# Altium PCB PCB1.PcbDoc (part 2 of 3)
Units mil, origin at the board's own origin, x right, y up, seen from the top; angles counter-clockwise.
Board outline 9239.32 x 6085 mil, 4 copper layers (Top Layer, GND, Power, Bottom Layer), stack 57.48 mil thick; 233 components, 161 nets, 767 pads, 460 vias.
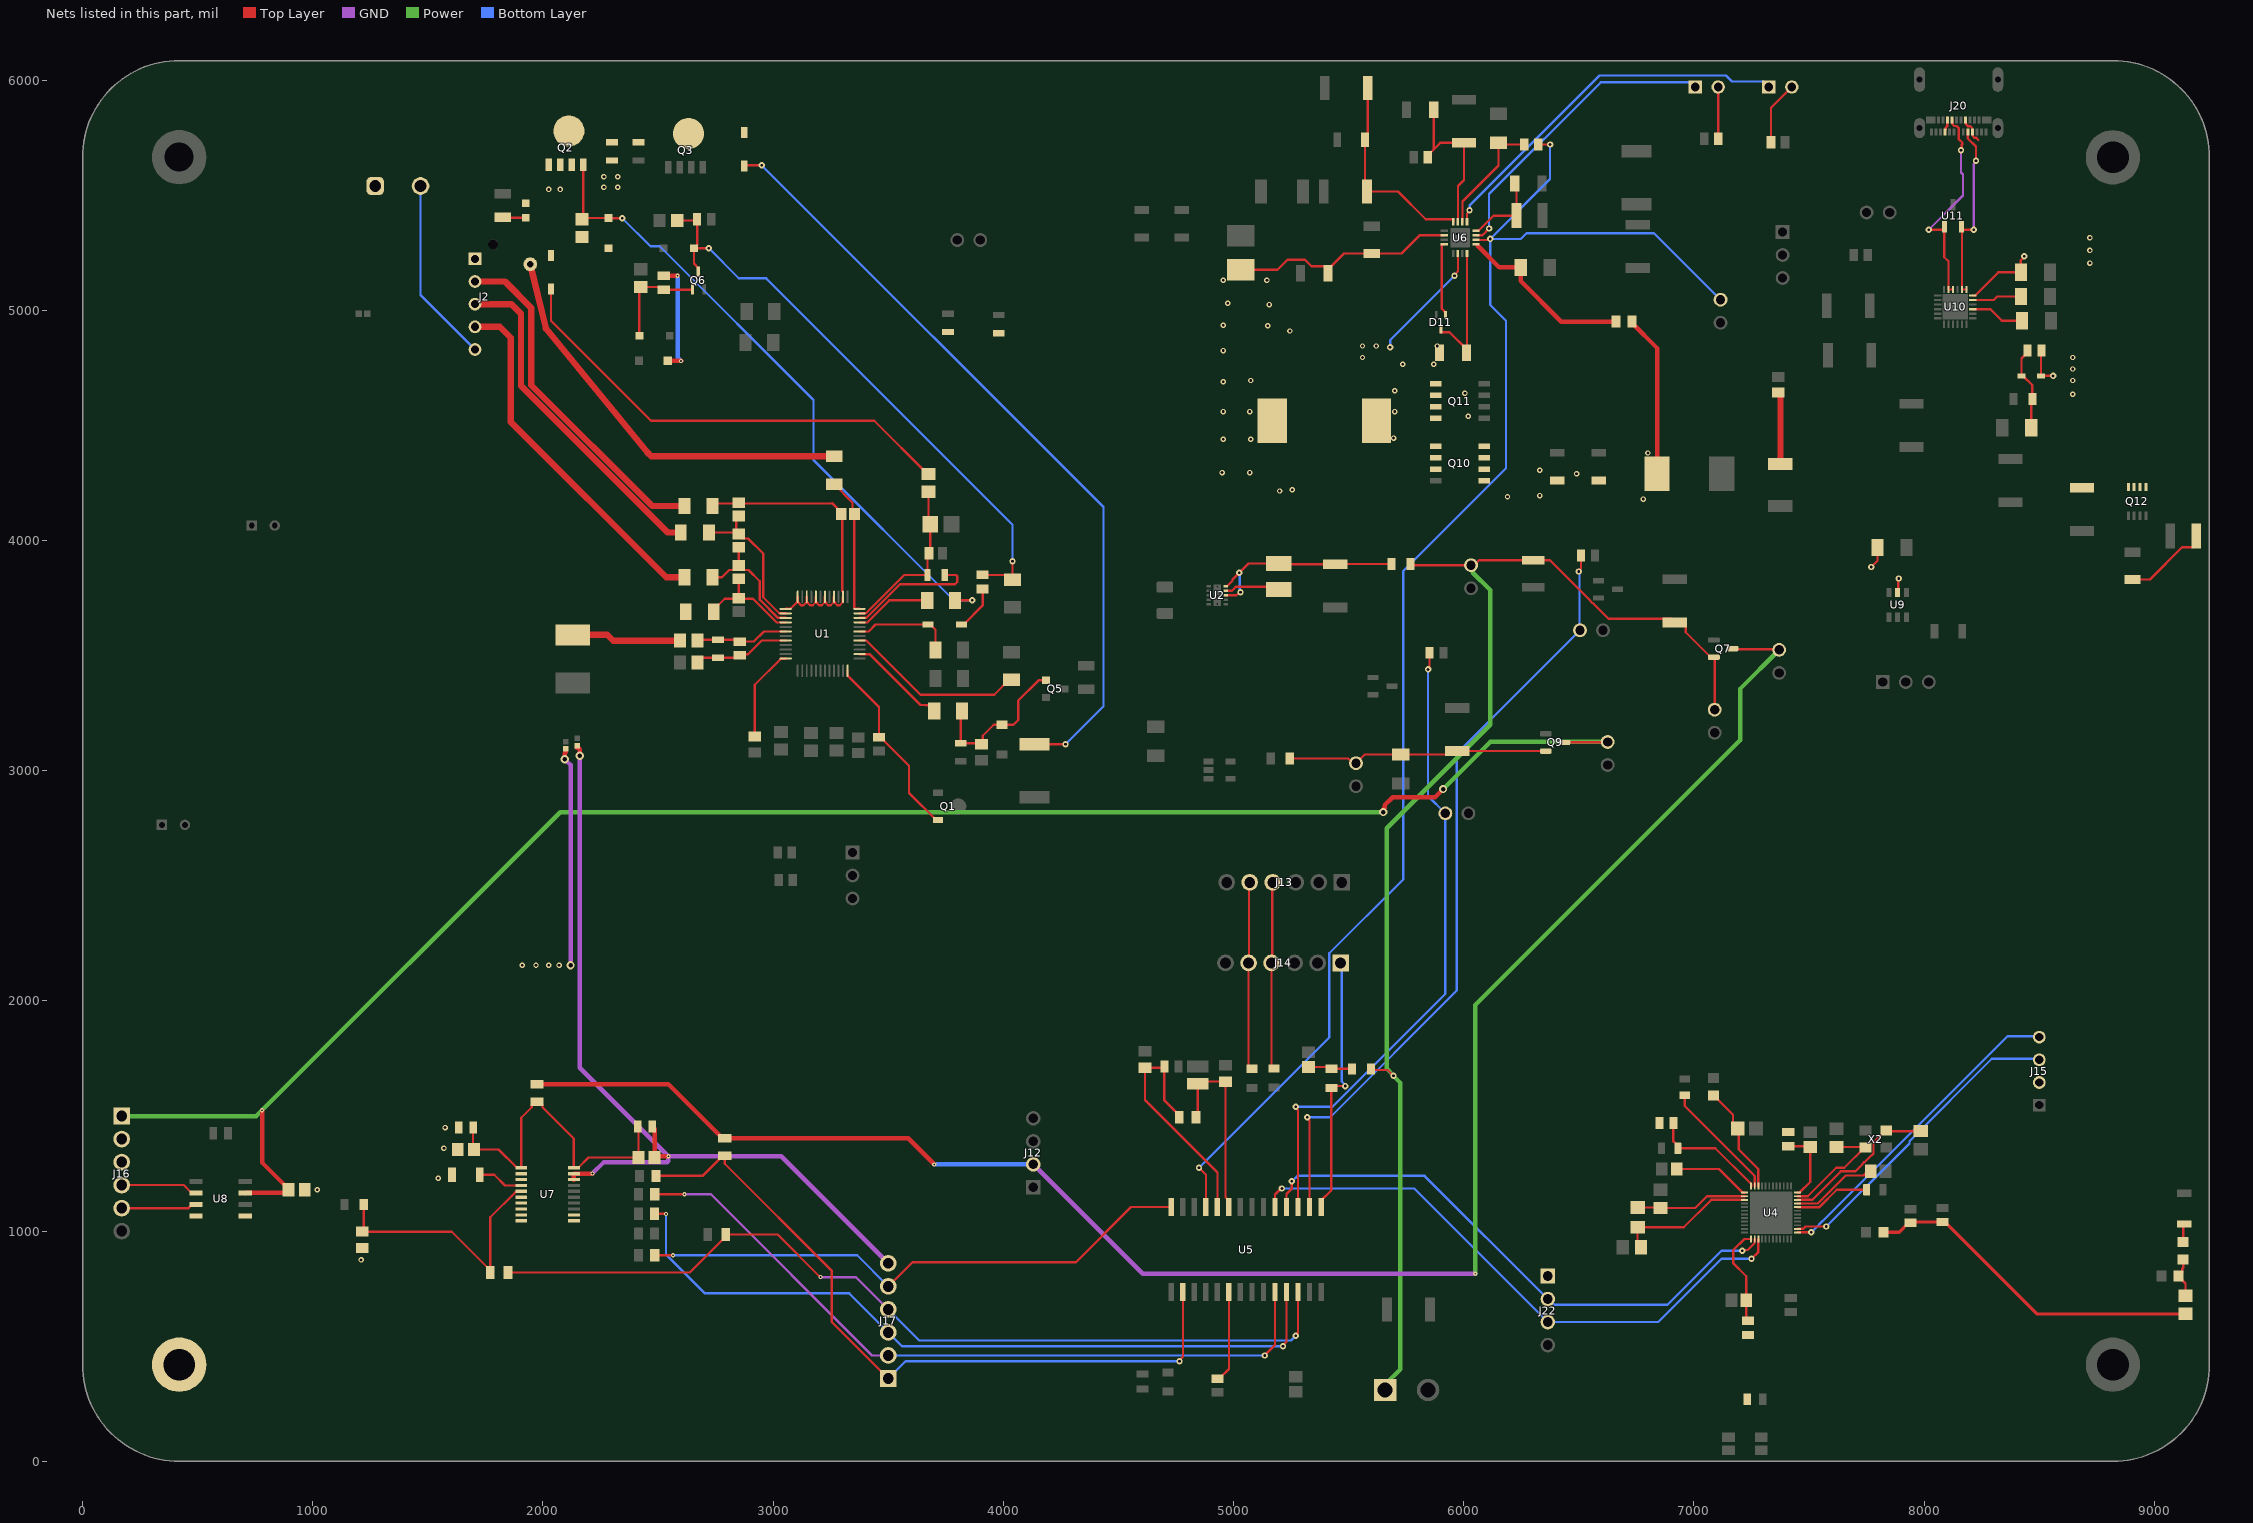
[diagram p4: the nets of this part, all layers, seen from the top]

## Part data (continued)
D8: library part CMP-2000-04932-2, "Fast Switching Diode, 100 V, 0.15 A, -65 to 150 degC, 2-Pin?SOD123, RoHS, Tape and Reel", If - Forward Current=0.15A, Ir - Reverse Current=1uA, Manufacturer=DiodesIncorporated, Max Surge Current=2A, Maximum Operating Temperature=+150C, Minimum Operating Temperature=-65C, Operating Temperature Range=-65Cto+150C, Package / Case=SOD-123, Package Reference=SOD123-2, Peak Reverse Voltage=100V, Vf - Forward Voltage=1.25V, Brand=DiodesIncorporated, Configuration=Single, Datasheet URL=http://www.farnell.com/datasheets/1915529.pdf, Datasheet Version="Rev. 24-2, 10/2013", Factory Pack Quantity=3000, Height=1.25mm, Length=2.85mm, Manufacturer URL=http://www.diodes.com/, Mounting Style=SMD/SMT, Package URL=http://www.diodes.com/datasheets/ds18004.pdf, Packaging=Reel, Product=SwitchingDiodes, Product Category=Diodes-GeneralPurpose,Power,Switching, Recovery Time=4ns, RoHS=True, Series=1N4148, Type=SwitchingDiode, Unit Weight=0.000353oz, Width=1.7mm
D10: library part CMP-1055-00390-1, "Schottky Power Rectifier, 2-Pin SMC, Pb-Free, Tape and Reel", Manufacturer="On Semiconductor", ComponentLink1Description="Manufacturer URL", ComponentLink1URL=http://www.onsemi.com/, ComponentLink2Description=Datasheet, ComponentLink2URL=http://www.onsemi.cn/pub_link/Collateral/MBRS540T3-D.PDF, ComponentLink3Description="Package Specification", ComponentLink3URL=http://www.onsemi.com/pub_link/Collateral/403-03.PDF, Configuration=Single, DatasheetVersion="Rev. 8", IFSM Max (A)=190, Mounting Technology="Surface Mount", PackageDescription="2-Pin Small Molded Package, J-Bend Lead, Body 5.845 x 6.855 mm", PackageReference=SMC-2-403-03, PackageVersion="Rev. E, 08/2005", Packing="Tape and Reel", PartNumber=MBRS540T3G, RoHS=TRUE
D11: library part BAT54, "Schottky, SOT-23, 30V, 0.2A, 150C", Manufacturer Name=Diotec, Package="SOT-23 Diotec", Supplier Part Number 1=BAT54ST-7-F, Check_prices=https://www.snapeda.com/parts/BAT54/Diotec/view-part/?ref=eda, Manufacturer Part Number=BAT54, MF=Diotec, MP=BAT54, OriginalSymbolOrigin=(-10000,20000), Part Number=BAT54, Part Reference=D1, PCB Footprint=SOT95P240X120-3N, SnapEDA_Link=https://www.snapeda.com/parts/BAT54/Diotec/view-part/?ref=snap, Supplier 1=Avnet
D12 D13: "3MM LED RED LC TINT. DIFF-e3", Manufacturer_Name=Vishay, Supplier Part Number 1=33C1369, Copyright="Copyright (C) 2025 Ultra Librarian. All rights reserved.", Manufacturer_Part_Number=TLLR4400, Supplier 1=Avnet
D14: library part CMP-2000-05927-2, "DIODE SCHOTTKY 40V 300MA SOD323", Capacitance=7pF, Forward Current=300mA, Manufacturer=STMicroelectronics, Max Junction Temp=+150°C, Max Repetitive Reverse Voltage=40V, Max Surge Forward Current=1.25A, Package=SOD323, Peak Reverse Current=1uA, Temperature="-40°C to +150°C", Temperature Range Low=-40°C, Automotive=No, Category=IC, ComponentLink2Description=Datasheet, ComponentLink2URL=https://www.st.com/resource/en/datasheet/bat54.pdf, Device Class L1="Discrete Semiconductors", Device Class L2=Diodes, Device Class L3="Schottky Diodes", Digikey Description="DIODE SCHOTTKY 40V 300MA SOD323", Height=1.17mm, Ipc Land Pattern Name=SOD250128X117-2, Lead Free=Yes, Manufacturer Part Number=BAT54JFILM, Mouser Description="Schottky Diodes & Rectifiers 300mA 40 Volt", Octopart=https://octopart.com/bat54jfilm-stmicroelectronics-326073, RoHS=TRUE, Standoff Height=0mm, Temperature Range High=+150°C
E1: library part CMP-176-000001-1, "2.4GHz - Chip RF Antenna 2.4GHz ~ 2.5GHz 0.5dBi Solder Surface Mount", Package=None, Availability="In Stock", Check_prices=https://www.snapeda.com/parts/2450AT18B100E/Johanson+Technology+Inc./view-part/?ref=eda, Component Type=Standard, Design Item ID=2450AT18B100E, MF="Johanson Technology", MP=2450AT18B100E, Pin Count=2, Price=None, Purchase-URL=https://pricing.snapeda.com/search/part/2450AT18B100E/?ref=eda, SnapEDA_Link=https://www.snapeda.com/parts/2450AT18B100E/Johanson+Technology+Inc./view-part/?ref=snap, Source=2450AT18B100E.SchLib
J1: library part CMP-1502-03324-3, "Terminal Block, 5MM Pitch, Horizontal, Pressure Clamp Glow Wire, Pcb, 2PINS, Gr", Current Rating=16A, Max Operating Temperature=120°C, Min Operating Temperature=-30°C, Voltage Rating=300V, Contact Material="Nickel, Tin", Height=11.6mm, Lead Pitch=5mm, Number of Contacts=2, Number of Pins=2, Number of Rows=1, Packaging=Box, RoHS=Compliant
J2: library part CMP-17439-000304-1, "CONN HEADER VERT 5POS 2.5MM", Color=Green, Contact Resistance=20mR, Flammability Rating="UL94 V-0", Housing Color=White, Insulation Color=Natural, Max Current Rating=3A, Max Operating Temperature=85°C, Max Voltage Rating (AC)=250V, Min Operating Temperature=-25°C, Connector Type=Header, Contact Finish - Mating=TIN, Contact Material=Brass, Contact Plating=Copper, Contact Shape=Square, Contact Type="Male Pin", Depth=5.75mm, Fastening Type=Detent, Housing Material=Polyamide, Insulation Material=Nylon, Lead Free="Lead Free", Length=14.9mm, Mated Stacking Heights=9.8mm, Mount="Through Hole", Number of Positions=5, Number of Rows=1, Orientation=Straight, Packaging=Bulk, Pitch=2.5mm, Series=XH, Termination=Solder, Voltage Rating=250V
J3 J19 J23: "Description", Manufacturer_Name=Sullins, Supplier Part Number 1=S7036-ND, Copyright="Copyright (C) 2025 Ultra Librarian. All rights reserved.", Manufacturer_Part_Number=PPPC031LFBN-RC, RefDes=RefDes, Supplier 1=DigiKey, Type=Type
J4 J5 J6 J7 J8 J9 J10 J11 J18 J21: "Description", Manufacturer_Name=Sullins, Supplier Part Number 1=S7035-ND, Copyright="Copyright (C) 2025 Ultra Librarian. All rights reserved.", Manufacturer_Part_Number=PPPC021LFBN-RC, RefDes=RefDes, Supplier 1=DigiKey, Type=Type
J12: "4 Position Header Connector 0.100 (2.54mm) Through Hole Tin", Package=None, Supplier Part Number 1=S7002-ND, Check_prices=https://www.snapeda.com/parts/PPTC041LFBN-RC/Sullins/view-part/?ref=eda, MF="Sullins Connector", MP=PPTC041LFBN-RC, SnapEDA_Link=https://www.snapeda.com/parts/PPTC041LFBN-RC/Sullins/view-part/?ref=snap, Supplier 1=DigiKey
J13 J14 J16 J17: library part CMP-04776-000309-1, "CONN HEADER VERT 6POS 2.54MM", Color=Natural, Contact Resistance=10mR, Current Rating=4A, Flammability Rating="UL94 V-0", Housing Color=White, Max Operating Temperature=75°C, Max Voltage Rating (AC)=250V, Min Operating Temperature=0°C, Package Quantity=10000, Connector Type="Male Pin", Contact Material=Brass, Contact Mating Length=0.295inch, Contact Plating=Tin, Contact Type="Male Pin", Depth=5.8mm, Fastening Type=Friction, Gender=Male, Hole Diameter=1.02mm, Housing Material=Nylon, Lead Pitch=2.54mm, Length=15.24mm, Material=Nylon, Max Current Rating=4A, Mount="Through Hole", Number of Contacts=6, Number of Positions=6, Number of Rows=1, Orientation=Straight, Packaging=Bulk, Pitch=2.54mm, Radiation Hardening=No, REACH SVHC="No SVHC", Series=KK, Termination=Solder, Voltage Rating=250V, Voltage Rating (AC)=250V, Working Voltage=250V
J15: library part CMP-002-00034-1, "Male Header, Pitch 2.5 mm, 1 x 4 Position, Height 6.1 mm, Tail Length 3.4 mm, -25 to 85 degC, RoHS, Bulk", Case/Package=S4B-XH-A(LF)(SN), Manufacturer=JST, Max Operating Temperature=85°C, Min Operating Temperature=-25°C, Package Description="XH Series Disconnectable Crimp Style Connector, Pitch 2.5 mm, 1 x 4 Position, Height 6.1 mm, Tail Length 3.4 mm", Connector Type=Header, Datasheet URL=http://www.jst-mfg.com/product/pdf/eng/eXH.pdf, Datasheet Version=May-16, Gender=Male, Manufacturer URL=http://www.jst.com/home2.html, Mounting Technology=TH, Package Reference=S4B-XH-A(LF)(SN), RoHS Compliant=Unknown
J20: library part 1054500101, "Universal Serial Bus (USB) Shielded I/O Receptacle, Type C, Right-Angle, Top Mount, Surface Mount, 0.80mm Solder Tabs, Gold (Au) Flash over 0.76m Palladium Nickel Plating", Manufacturer Name="Molex Connector Corporation", Copyright="Copyright (C) 2025 Ultra Librarian. All rights reserved.", Datasheet=https://www.molex.com/en-us/products/part-detail-pdf/1054500101?display=pdf, Manufacturer Part Number=1054500101, Manufacturer_Name="Molex Connector Corporation", Manufacturer_Part_Number=1054500101, Part Number=1054500101, Part Reference=J3, PCB Footprint=CONN_105450-0101_MOL, Supplier 1=Avnet, Supplier Part Number 1=1054500101
J22: "4 Position Header Connector 0.100 (2.54mm) Through Hole Tin", Package=None, Check_prices=https://www.snapeda.com/parts/PPTC041LFBN-RC/Sullins/view-part/?ref=eda, MF="Sullins Connector", MP=PPTC041LFBN-RC, SnapEDA_Link=https://www.snapeda.com/parts/PPTC041LFBN-RC/Sullins/view-part/?ref=snap
L1: library part CMP-14484-000105-1, "SMD Inductors 100uH ±10% 0.34A 1.82Ω 1210", Case Code (Imperial)=1210, Case Code (Metric)=3225, Current Rating=340mA, DC Resistance (DCR)=1.82R, Inductance=100uH, Inductance Tolerance=10%, Max Operating Temperature=105°C, Min Operating Temperature=-40°C, Package Quantity=1, Resistor Type=Wirewound, Saturation Current=270mA, Self Resonant Frequency=6MHz, Test Frequency=100kHz, Case/Package=1210, Core Material=Ferrite, DC Current=340mA, Depth=2.7mm, Halogen Free="Halogen Free", Height=2.5mm, Height - Seated (Max)=0.106inch, Lead Free="Lead Free", Length=0.126inch, Max DC Current=340mA, Military Standard=Not, Mount="Surface Mount", Packaging="Tape and Reel", Radiation Hardening=No, RoHS Compliant=Yes, Series=CB, Shielding=Unshielded, Termination=SMD/SMT, Tolerance=10%, Width=0.098inch
L2: library part CMP-08253-000052-1, "Shielded Multilayer Inductor 10uH ±20% 500mA 390mΩ SMD 0805", Case Code (Imperial)=0805, Case Code (Metric)=2012, Current Rating=500mA, DC Resistance (DCR)=390mR, Inductance=10uH, Max Operating Temperature=125°C, Min Operating Temperature=-55°C, Package Quantity=1, Saturation Current=110mA, Self Resonant Frequency=50MHz, Test Frequency=2MHz, Tolerance=20%, Case/Package=0805, Core Material=Ferrite, Height - Seated (Max)=0.057inch, Length=0.079inch, Mount="Surface Mount", Packaging="Tape and Reel", RoHS Compliant=Yes, Shielding=Shielded, Width=0.049inch
L3: library part CMP-06042-005429-1, "Wire Wound RF Inductor 15nH ±10% 1000mA 0.04Ω 0805 (2015)", Case Code (Imperial)=0805, Case Code (Metric)=2015, Current Rating=1A, DC Resistance (DCR)=40mR, Max Operating Temperature=85°C, Min Operating Temperature=-40°C, Package Quantity=2000, Resistor Type=Wirewound, Self Resonant Frequency=3.1GHz, Test Frequency=100MHz, Tolerance=10%, Case/Package=0805, Core Material=Non-Magnetic, DC Current=1A, Depth=1.7mm, Height=1.7mm, Height - Seated (Max)=0.07inch, Inductance=15nH, Length=2mm, Max DC Current=1A, Military Standard=Not, Mount="Surface Mount", Packaging="Tape and Reel", Q Factor=40, Radiation Hardening=No, Shielding=Unshielded, Termination=SMD/SMT, Weight=0.000317oz, Width=0.059inch
L4 L7: library part CMP-06042-006078-1, "Wire Wound RF Inductor 3.3nH ±0.5nH 1700mA 0.02Ω 0805 (2015)", Case Code (Imperial)=0805, Case Code (Metric)=2015, Current Rating=1.7A, DC Resistance (DCR)=20mR, Max Operating Temperature=85°C, Min Operating Temperature=-40°C, Package Quantity=2000, Resistor Type=Wirewound, Self Resonant Frequency=6GHz, Test Frequency=100MHz, Case/Package=0805, Core Material=Non-Magnetic, DC Current=1.7A, Depth=1.7mm, Height=1.7mm, Height - Seated (Max)=0.07inch, Inductance=3.3nH, Length=0.079inch, Max DC Current=1.7A, Military Standard=Not, Mount="Surface Mount", Packaging="Tape and Reel", Q Factor=10, Radiation Hardening=No, Shielding=Unshielded, Termination=SMD/SMT, Weight=0.000317oz, Width=0.059inch
L5: library part CMP-06042-001687-1, "Wire Wound RF Inductor 2.7nH ±0.5nH 1900mA 0.02Ω 0805 (2015)", Case Code (Imperial)=0805, Case Code (Metric)=2012, Current Rating=1.9A, DC Resistance (DCR)=20mR, Max Operating Temperature=85°C, Min Operating Temperature=-40°C, Package Quantity=2000, Resistor Type=Wirewound, Self Resonant Frequency=6GHz, Test Frequency=100MHz, Case/Package=0805, Core Material=Non-Magnetic, DC Current=1.9A, Depth=1.7mm, Height=1.7mm, Height - Seated (Max)=0.07inch, Inductance=2.7nH, Length=2mm, Max DC Current=1.9A, Military Standard=Not, Mount="Surface Mount", Packaging="Tape and Reel", Q Factor=20, Radiation Hardening=No, Shielding=Unshielded, Termination=SMD/SMT, Weight=0.000317oz, Width=0.059inch
L6: library part CMP-02424-000558-1, "Commercial Inductors, High Saturation Series 3.3uH 15A 9.2mΩ 20%", Case/Package=5050, Current Rating=15A, DC Resistance (DCR)=9.2mR, Inductance=3.3uH, Inductance Tolerance=20%, Max Operating Temperature=125°C, Min Operating Temperature=-55°C, Package Quantity=250, Saturation Current=32A, Self Resonant Frequency=5MHz, Test Frequency=100kHz, Core Material=Ferrite, Depth=12.9mm, Height=5mm, Height - Seated (Max)=0.197inch, Lead Free="Lead Free", Length=13.2mm, Max DC Current=15A, Military Standard=Not, Mount="Surface Mount", Number of Pins=5050, Packaging="Tape and Reel", Radiation Hardening=No, RMS Current (Irms)=15A, Shielding=Shielded, Termination=SMD/SMT, Tolerance=20%, Width=12.9mm
NT1 NT2: library part CMP-009-00121-1, Max Operating Temperature=155°C, Min Operating Temperature=-55°C, Pins=2
Q1: library part CMP-14406-000018-1, "TRANS NPN 150V 1A SOT89", Ambient Temperature Range High=+150°C, Ambient Temperature Range Low=-55°C, Collector Base Voltage=400V, Collector Emitter Saturation Voltage=33mV, Collector Emitter Voltage=150V, Emitter Base Voltage=6V, Manufacturer=Nexperia, Manufacturer Part Number=PBHV8115X,115, Max Collector Current=1A, Package=SOT89, Power Dissipation=0.52W, Temperature="to +150°C", Automotive=Yes, Automotive Grade="Grade 0", Category=Trans, ComponentLink2Description=Datasheet, ComponentLink2URL=https://assets.nexperia.com/documents/data-sheet/PBHV8115X.pdf, Delay Time Td=7ns, Device Class L1="Discrete Semiconductors", Device Class L2=Transistors, Device Class L3=BJTs, Digikey Description="TRANS NPN 150V 1A SOT89", Fall Time Tf=700ns, Footprint Url=https://assets.nexperia.com/documents/outline-drawing/SOT89.pdf, Gain Bandwidth Product=30MHz, Height=1.6mm, Hfe Min=10, Hfe Testic=1A, Hfe Testvce=10V, Lead Free=Yes, Max Junction Temp=+150°C, Number Of Elements=1, Number Of Npn=1, Octopart=https://octopart.com/pbhv8115x%2C115-nexperia-78740688, Rise Time Tr=565ns, RoHS=TRUE, Rthja Max=240K/W, Storage Time Ts=1530ns, Temperature Range High=+150°C
Q2 Q3: library part CMP-04962-000007-1, "MOSFET N-CH 100V 100A 8SON", Continuous Drain Current=100A, Drain To Source Breakdown Voltage=100V, Drain To Source Resistance=4.6mΩ, Gate To Source Voltage=20V, Input Capacitace At Vds="3700pF @ 50V", Manufacturer="Texas Instruments", Max Forward Diode Voltage=1V, Max Junction Temp=+150°C, Package=DNK0008A, Power Dissipation=3.1W, Pulse Drain Current=400A, Temperature="-55°C to +150°C", Temperature Range Low=-55°C, Typ Forward Diode Voltage=0.8V, Automotive=No, Category=Trans, ComponentLink2Description=Datasheet, ComponentLink2URL=http://www.ti.com/lit/ds/symlink/csd19532q5b.pdf, Depletion Mode=False, Device Class L1="Discrete Semiconductors", Device Class L2=Transistors, Device Class L3=MOSFETs, Digikey Description="MOSFET N-CH 100V 100A 8SON", Drain To Source Voltage=100V, Gate Charge At Vgs="48nC @ 10V", Height=1.05mm, Lead Free=Yes, Manufacturer Part Number=CSD19532Q5B, Mouser Description="MOSFET 100V 4.0 mOhm N-Ch NexFET Power MOSFET", Number Of Channels=1, Number Of N Channels=1, Octopart=https://octopart.com/csd19532q5b-texas+instruments-32890191, Reverse Recovery Charge=249nC, Reverse Recovery Time=80ns, RoHS=TRUE, Rthja Max=50°C/W, Temperature Range High=+150°C, Threshold Vgs Max=3.2V, Threshold Vgs Min=2.2V, Transconductance=84S, Turn Off Delay Time=22ns, Turn On Delay Time=7ns
Q4 Q8: library part 2N7002, "Mosfet Array 2 N-Channel (Dual) 60V 300mA 500mW Surface Mount PG-SOT363-6", Package="SOT-23-3 ON Semiconductor", Check_prices=https://www.snapeda.com/parts/2N7002/Onsemi/view-part/?ref=eda, MF=onsemi, MP=2N7002, SnapEDA_Link=https://www.snapeda.com/parts/2N7002/Onsemi/view-part/?ref=snap, Supplier 1=Avnet, Supplier Part Number 1=2N7002
Q5: library part CMP-12801-000027-1, "MOSFET N-CH 100V 1.6A SOT-23", Continuous Drain Current=1.4A, Drain To Source Breakdown Voltage=100V, Drain To Source Resistance=250mΩ, Gate To Source Voltage=16V, Input Capacitace At Vds="401pF @ 25V", Manufacturer="Diodes Inc.", Manufacturer Part Number=DMN10H220L-7, Max Forward Diode Voltage=1.2V, Max Junction Temp=+150°C, Package=SOT23, Power Dissipation=1.3W, Pulse Drain Current=8A, Temperature="-55°C to +150°C", Temperature Range Low=-55°C, Typ Forward Diode Voltage=0.7V, Automotive=No, Category=Trans, ComponentLink2Description=Datasheet, ComponentLink2URL=https://www.diodes.com/assets/Datasheets/DMN10H220L.pdf, Depletion Mode=False, Device Class L1="Discrete Semiconductors", Device Class L2=Transistors, Device Class L3=MOSFETs, Digikey Description="MOSFET N-CH 100V 1.6A SOT-23", Drain To Source Voltage=100V, Footprint Url=https://www.diodes.com/assets/Package-Files/SOT23.pdf, Gate Charge At Vgs="8.3nC @ 10V", Height=1.1mm, Lead Free=Yes, Mouser Description="DMN10H220L Series 100 V 250 mOhm N-Channel Enhancement Mode Mosfet - SOT-23", Number Of Channels=1, Number Of N Channels=1, Octopart=https://octopart.com/dmn10h220l-7-diodes+inc.-38898610, Reverse Recovery Charge=9.8nC, Reverse Recovery Time=17ns, RoHS=TRUE, Rthja Max=177°C/W, Standoff Height=0.013mm, Temperature Range High=+150°C, Threshold Vgs Max=2.5V, Threshold Vgs Min=1V, Turn Off Delay Time=7.9ns, Turn On Delay Time=6.8ns
Q6: "Description", Manufacturer_Name=onsemi, Copyright="Copyright (C) 2025 Ultra Librarian. All rights reserved.", Manufacturer_Part_Number=2N7002KW, Supplier 1=Avnet, Supplier Part Number 1=2N7002KW
Q7 Q9: library part IRLML6402TRPBF, "P-Channel 20 V 3.7A (Ta) 1.3W (Ta) Surface Mount Micro3Ã¢â€žÂ¢ /SOT-23", Package="SOT-23-3 ON Semiconductor", Check_prices=https://www.snapeda.com/parts/IRLML6402TRPBF/Infineon/view-part/?ref=eda, MF=Infineon, MP=IRLML6402TRPBF, SnapEDA_Link=https://www.snapeda.com/parts/IRLML6402TRPBF/Infineon/view-part/?ref=snap, Supplier 1="Arrow Electronics", Supplier Part Number 1=AO3419
Q10 Q11: "N-CHANNEL 40-V (D-S) MOSFET", Manufacturer_Name=Vishay, Copyright="Copyright (C) 2025 Ultra Librarian. All rights reserved.", Manufacturer_Part_Number=SIR426DP-T1-GE3, RefDes=RefDes, Type=Type
Q12: "P-channel -30 V, 12 mOhm typ., -9 A STripFET H6 Power MOSFET in a PowerFLAT 3.3 x 3.3 package", Manufacturer_Name=STMicroelectronics, Copyright="Copyright (C) 2025 Ultra Librarian. All rights reserved.", Manufacturer_Part_Number=STL9P3LLH6, RefDes=RefDes, Type=Type
R1 R14 R15: library part CMP-1013-00050-2, Manufacturer=Panasonic, Part Number=ERJ-6GEYJ101V
R2 R7 R12: library part CMP-2001-00336-1, Manufacturer=Panasonic, Part Number=ERJ-6GEYJ102V
R3: library part CMP-02407-002320-1, "RES Thick Film, 150Ω, 5%, 1W, 200ppm/°C, 2512", Case Code (Imperial)=2512, Case Code (Metric)=6432, Max Operating Temperature=155°C, Max Power Dissipation=1W, Min Operating Temperature=-55°C, Package Quantity=2000, Resistance=150R, Temperature Coefficient=200ppm/°C, Tolerance=5%, Voltage Rating=500V, Case/Package=2512, Composition="Thick Film", Contact Plating=Tin, Depth=3.15mm, Features="Automotive AEC-Q200", Height=0.028inch, Lead Free="Lead Free", Length=6.3mm, Military Standard=Not, Mount="Surface Mount", Number of Pins=2, Number of Terminations=2, Packaging="Tape and Reel", Power Rating=1W, Radiation Hardening=No, Termination=SMD/SMT, Voltage Rating (DC)=500V, Weight=0.001429oz, Width=0.124inch
R4 R5 R6 R8 R11: library part CMP-2003-01944-1, Manufacturer="Vishay Dale", Part Number=CRCW120620R0FKEA
R9 R10 R42 R88: library part CMP-26527-002945-1, "1kΩ ±1% 0.125W 0805 Thick Film Chip Resistor AEC-Q200 compliant", Case/Package=0805, Max Operating Temperature=155°C, Max Power Dissipation=125mW, Min Operating Temperature=-55°C, Resistance=1kR, Resistor Type="Thick Film", Temperature Coefficient=100ppm/°C, Tolerance=1%, Construction=Rectangular, Contact Plating=Tin, Depth=1.25mm, Features="Automotive AEC-Q200", Height=0.026inch, Lead Free="Lead Free", Length=2mm, Military Standard=Not, Mount="Surface Mount", Number of Terminations=2, Packaging="Tape and Reel", Radiation Hardening=No, RoHS Compliant=Yes, Series=RMCF, Width=0.049inch
R13 R18: library part CMP-2003-02161-2, Case Code (Imperial)=1206, Case Code (Metric)=3216, Max Operating Temperature=155°C, Max Power Dissipation=250mW, Min Operating Temperature=-55°C, Resistance=3.9kΩ, Temperature Coefficient=200ppm/°C, Tolerance=5%, Voltage Rating=200V, Case/Package=1206, Composition="Thick Film", Contact Plating=Tin, Depth=1.6mm, Features="Automotive AEC-Q200", Height=600µm, Lead Free="Lead Free", Length=3.2mm, Military Standard=Not, NexarPartId=42274481, Number of Pins=2, Number of Terminations=2, Packaging="Cut Tape", Power Rating=250mW, Radiation Hardening=No, REACH SVHC=Unknown, RoHS=Compliant, Termination=SMD/SMT, Voltage Rating (DC)=200V, Weight=10.007382mg, Width=1.6002mm
R16 R30: library part CMP-26527-000017-1, "RES 0 OHM JUMPER 1/8W 0805", Case Code (Imperial)=0805, Case Code (Metric)=2012, Max Operating Temperature=155°C, Max Power Dissipation=125mW, Min Operating Temperature=-55°C, Resistance=0mR, Case/Package=0805, Composition="Thick Film", Contact Plating=Tin, Depth=1.25mm, Features="Automotive AEC-Q200", Height=0.026inch, Lead Free="Lead Free", Length=2mm, Military Standard=Not, Mount="Surface Mount", Number of Terminations=2, Packaging="Tape and Reel", Power Rating=125mW, Radiation Hardening=No, Width=0.049inch
R17: library part PMR100HZPFV1L00, "No Description Available", Manufacturer_Name="ROHM Semiconductor", Copyright="Copyright (C) 2026 Ultra Librarian. All rights reserved.", Manufacturer_Part_Number=PMR100HZPFV1L00
R19 R61: library part RC2010FK-07100KL, "RES, 100K, 1%, 0.75W, 2010, THICK FILM; Resistor Case Style:2010 [5025 Metric]; Resistance:100kohm; Product Range:RC Series; Voltage Rating:200V; Resistor Element Material:Thick Film; Power Rating:750mW; Resistance Tolerance:Â± 1%; Temperature Coefficient", Package="2010-2 YAGEO", Check_prices=https://www.snapeda.com/parts/RC2010FK07100KL/Yageo/view-part/?ref=eda, MF="Yageo Corporation", MP=RC2010FK07100KL, SnapEDA_Link=https://www.snapeda.com/parts/RC2010FK07100KL/Yageo/view-part/?ref=snap, Supplier 1=Newark, Supplier Part Number 1=RC2010FK-07100KL
R20 R28 R84: library part CMP-03211-002267-1, "CRGCQ0805 470Ω 0.125W ±100ppm/°C 5% 150V", Ambient Temperature Range High=+70°C, Manufacturer="TE Connectivity", Manufacturer Part Number=CRGCQ0805J470R, Package=CRGCQ0805, Power Rating=0.125W, Resistance=470Ω, Temperature="-55°C to +155°C", Temperature Coefficient=±100ppm/°C, Temperature Range High=+155°C, Temperature Range Low=-55°C, Tolerance=0.05, Voltage Rating=150V, Automotive=Yes, Automotive Grade="Grade 610", Category=Res, ComponentLink2Description=Datasheet, ComponentLink2URL=https://www.te.com/commerce/DocumentDelivery/DDEController?Action=showdoc&DocId=Data+Sheet%7F1773204-3%7F1%7Fpdf%7FEnglish%7FENG_DS_1773204-3_1.pdf%7F4-2176341-619, Composition="Thick Film", Device Class L1="Passive Components", Device Class L2=Resistors, Device Class L3="Chip SMD Resistors", Height=0.65mm, Ipc Land Pattern Name=RESC200125X55, Lead Free=Yes, Octopart=https://octopart.com/crgcq0805j470r-te+connectivity-91018229, RoHS=TRUE, Series=CRGCQ
R21 R31 R32 R35 R36 R37 R38 R39: library part CMP-2003-02296-2, "RES Thick Film, 5.1kΩ, 5%, 0.25W, 200ppm/°C, 1206", Case Code (Imperial)=1206, Case Code (Metric)=3216, Max Operating Temperature=155°C, Max Power Dissipation=250mW, Min Operating Temperature=-55°C, Package Quantity=1, Resistance=5.1kR, Temperature Coefficient=200ppm/°C, Tolerance=5%, Voltage Rating=200V, Case/Package=1206, Composition="Thick Film", Contact Plating=Tin, Depth=1.6mm, Features="Automotive AEC-Q200", Height=0.55mm, Lead Free="Lead Free", Length=3.2mm, Military Standard=Not, Number of Terminations=2, Packaging="Tape and Reel", Power Rating=250mW, Radiation Hardening=No, Termination=SMD/SMT, Voltage Rating (DC)=200V, Weight=0.000353oz, Width=0.063inch, Working Voltage=200V
R22 R34 R56: library part RC2010JK-0710KL, Package=None, Supplier Part Number 1=49AK3933, Availability=Unavailable, MP=RC2010JK-0710KL, Price=None, Supplier 1=Avnet
R23: library part CMP-2001-00371-1, Manufacturer=Panasonic, Part Number=ERJ-6GEYJ203V
R24 R25 R26: library part CMP-26527-000232-1, "10MΩ ±5% 0.125W 0805 Thick Film Chip Resistor AEC-Q200 compliant", Case Code (Imperial)=0805, Case Code (Metric)=2012, Max Operating Temperature=155°C, Max Power Dissipation=125mW, Min Operating Temperature=-55°C, Resistance=10MR, Resistor Type="Thick Film", Temperature Coefficient=200ppm/°C, Tolerance=5%, Case/Package=0805, Construction=Rectangular, Contact Plating=Tin, Depth=1.25mm, Features="Automotive AEC-Q200", Height=0.026inch, Lead Free="Lead Free", Length=2mm, Military Standard=Not, Mount="Surface Mount", Number of Terminations=2, Packaging="Tape and Reel", Power Rating=125mW, Radiation Hardening=No, RoHS Compliant=Yes, Series=RMCF, Size Code=0805, Width=0.049inch
R27 R43 R49 R50 R52 R53 R57: library part CMP-2000-07514-1, "Chip Resistor, 0 Ohm, 0.125 W, -55 to 125 degC, 0805 (2012 Metric), RoHS, Tape and Reel", Case Code (Imperial)=0805, Case Code (Metric)=2012, Manufacturer="TE Connectivity", Max Operating Temperature=125degC, Min Operating Temperature=-55degC, Number of Resistors=1, Package Description="2-Pin Surface Mount Device, Body 2 x 1.25 mm", Package Quantity=5000, Package Reference=RESC2013X65X40L15T20, Power Rating=125mW, Resistance=0mOhm, Tolerance=0%, Voltage Rating=150V, Case\/Package=0805, Composition=ThickFilm, Datasheet URL=www.te.com/commerce/DocumentDelivery/DDEController?Action=showdoc&DocId=Customer+Drawing%7F1623401%7FBA%7Fpdf%7FEnglish%7FENG_CD_1623401_BA.pdf%7F1623401-1, Datasheet Version="Rev. BA, 12/2009", Depth=1.25mm, ELV=Compliant, Height=0.55mm, Length=2mm, Manufacturer URL=http://www.te.com/, Mount=SurfaceMount, Mounting Technology=SurfaceMount, Number of Terminations=2, Packaging=TapeandReel, Radiation Hardening=No, RoHSCompliant=true, Termination=Solder, Weight=0.000194oz, Width=1.25mm
R29 R44 R47 R54 R66 R70: library part CMP-2001-00337-1, Manufacturer=Panasonic, Part Number=ERJ-6GEYJ103V
R33: library part CMP-2001-00447-1, Manufacturer=Panasonic, Part Number=ERJ-6GEYJ752V
R40 R41: library part CMP-03412-049031-1, "Thin Film Chip Resistors Automotive Grade 10kΩ 0.5% 50ppm/°C 0805", Case/Package=0805, Max Operating Temperature=155°C, Max Power Dissipation=125mW, Min Operating Temperature=-55°C, Ratings=AEC-Q200, Resistance=10kR, Resistor Type="Thin Film", Temperature Coefficient=50ppm/°C, Tolerance=0.5%, Features="Moisture Resistant", Height=0.024inch, Length=0.079inch, Number of Terminations=2, Packaging="Tape and Reel", RoHS Compliant=Yes, Series=AT, Width=0.049inch
R45: library part CMP-02407-010572-1, "RES 1.05K OHM 0.5% 1/5W 0805", Case/Package=0805, Max Operating Temperature=125°C, Min Operating Temperature=-55°C, Resistance=22kR, Temperature Coefficient=50ppm/°C, Tolerance=1%, Composition="Thin Film", Contact Plating=Tin, Depth=1.25mm, Lead Free="Lead Free", Length=2mm, Military Standard=Not, Packaging="Tape and Reel", Radiation Hardening=No, Width=1.25mm
R46 R48: library part CMP-03412-008596-1, "RT0805 10Ω 0.125W 10 ppm/°C 0.25%", Manufacturer=Yageo, Manufacturer Part Number=RT0805BRB1310RL, Package=RT0805, Power Rating=0.125W, Resistance=10Ω, Temperature="-55°C to +155°C", Temperature Coefficient="10 ppm/°C", Temperature Range High=+155°C, Temperature Range Low=-55°C, Tolerance=0.0025, Voltage Rating=150V, Automotive=No, Category=Res, ComponentLink2Description=Datasheet, ComponentLink2URL=http://www.yageo.com/documents/recent/PYu-RT_1-to-0.01_RoHS_L_9.pdf, Composition="Thin Film", Device Class L1="Passive Components", Device Class L2=Resistors, Device Class L3="Chip SMD Resistors", Footprint Url=http://www.yageo.com/exep/pages/download/literatures/PYu-R_Mount_10.pdf, Height=0.6mm, Ipc Land Pattern Name=RESC200125X50, Lead Free=Yes, Octopart=https://octopart.com/rt0805brb1310rl-yageo-73279041, RoHS=TRUE, Series=RT
R51: library part CMP-1013-00098-1, "10K 0.125W 5% 0805 (2012 Metric)  SMD", Case-EIA=0805, Case-Metric=2012, Power="0.125 W", Tolerance="5 %", Technology=SMT
R55: library part CMP-02407-001361-1, "RES 1.05K OHM 0.5% 1/5W 0805", Case/Package=0805, Resistance=1MR, Tolerance=0.1%, Height=450um, Lead Free="Lead Free", Length=2mm, Width=1.25mm
R58: library part RMCF2010FT2R00, "No Description Available", Manufacturer_Name="Stackpole International", Copyright="Copyright (C) 2026 Ultra Librarian. All rights reserved.", Manufacturer_Part_Number=RMCF2010FT2R00, Supplier 1="Arrow Electronics", Supplier Part Number 1=RMCF2010FT2R00
R59 R71 R73 R74 R75 R77: library part CMP-2001-01416-1, Manufacturer=Yageo, Part Number=RC0805JR-1310RL
R60: library part RC2010JK-079K1L, "RES SMD 9.1K OHM 5% 3/4W 2010", Package=None, Supplier Part Number 1=6184260, Availability=Unavailable, MP=RC2010JK-079K1L, Price=None, Supplier 1="Future Electronics"
R62 R67: library part CMP-2001-04899-2, "RES Thick Film, 100kΩ, 1%, 0.125W, 100ppm/°C, 0805", Case Code (Imperial)=0805, Case Code (Metric)=2012, Max Operating Temperature=155°C, Min Operating Temperature=-55°C, Package Quantity=5000, Power Rating=125mW, Resistance=100kR, Temperature Coefficient=100ppm/°C, Tolerance=1%, Voltage Rating=150V, Case/Package=0805, Composition="Thick Film", Contact Plating=Tin, Depth=1.25mm, Height=0.45mm, Lead Free="Lead Free", Length=2mm, Military Standard=Not, Mount="Surface Mount", Number of Pins=2, Packaging="Tape and Reel", Radiation Hardening=No, Termination=SMD/SMT, Voltage Rating (DC)=150V, Weight=0.000194oz, Width=1.25mm